# Altium PCB STM32G4_V2.PcbDoc
Units mil, origin at the board's own origin, x right, y up, seen from the top; angles counter-clockwise.
Board outline 2190 x 1925 mil, 2 copper layers (Top Layer, Bottom Layer), stack 5.6 mil thick; 52 components, 33 nets, 204 pads, 32 vias.
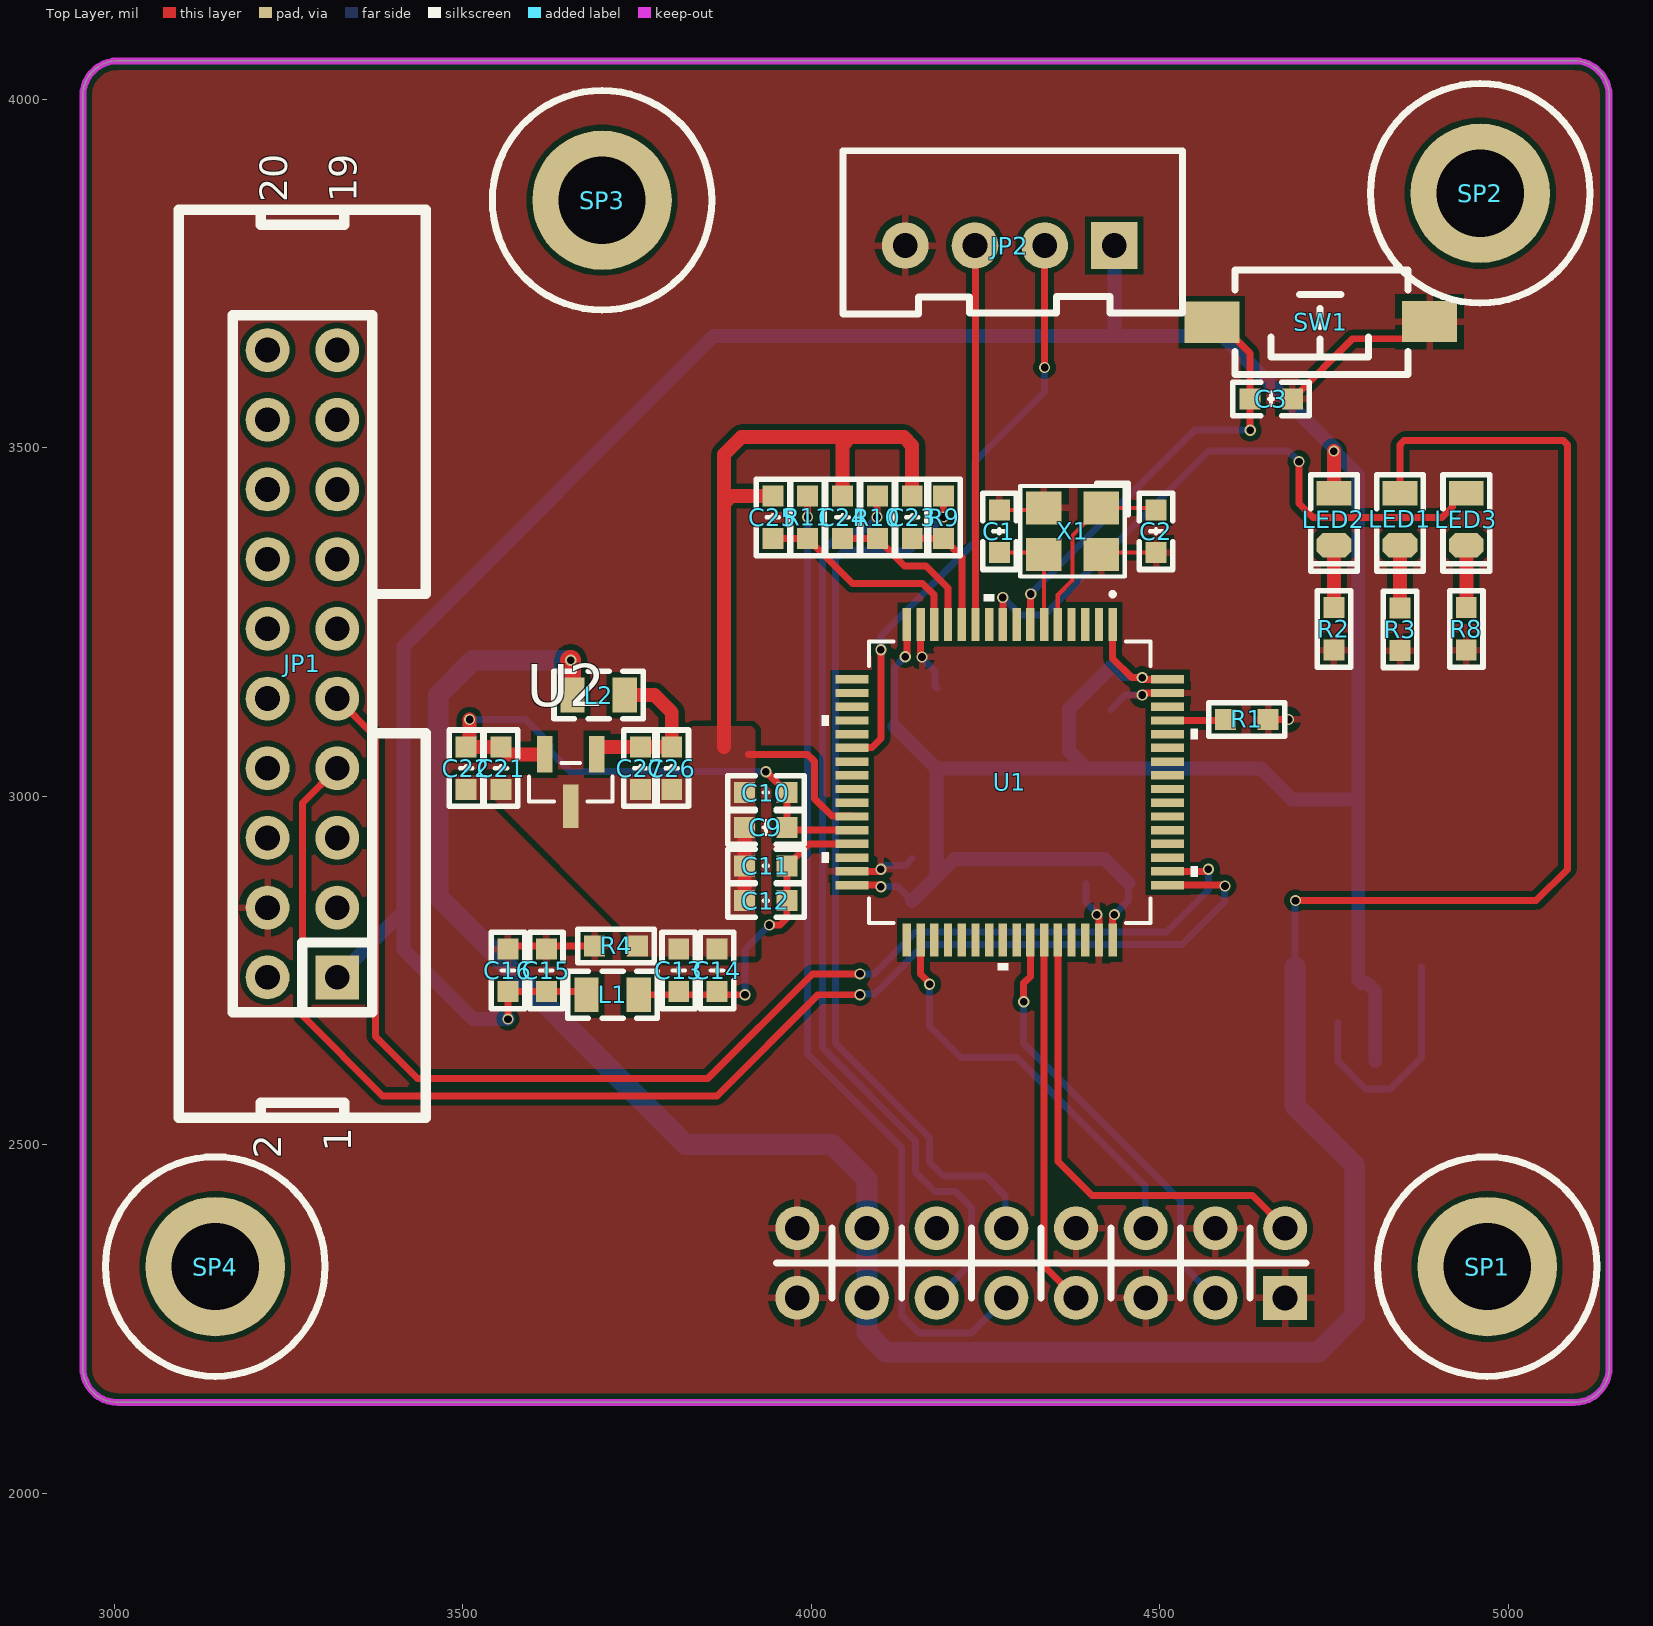
[diagram p0: Top Layer view]
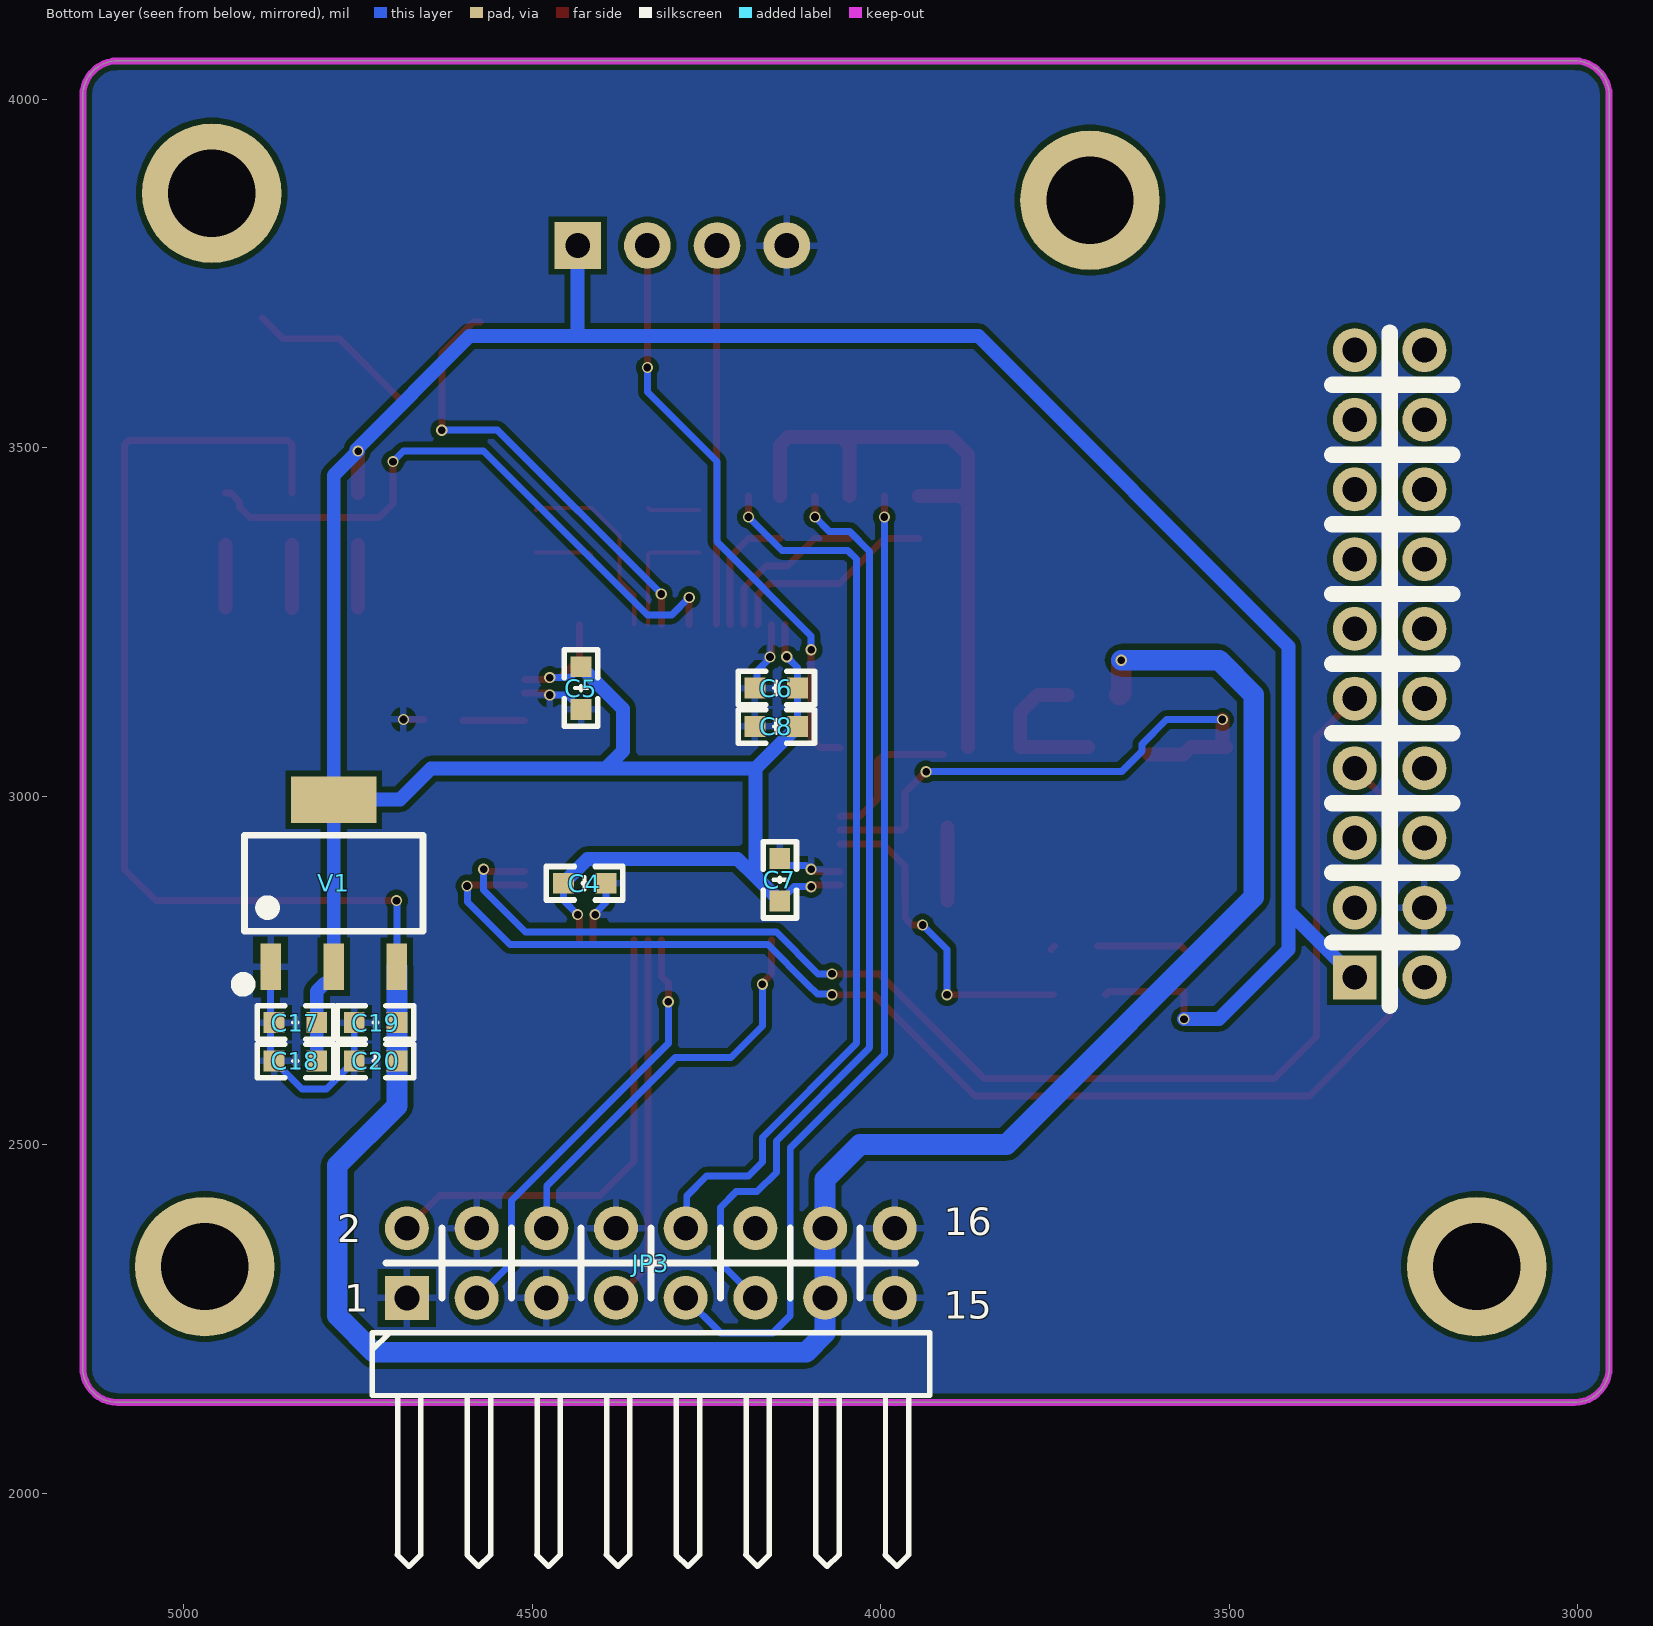
[diagram p1: Bottom Layer view, seen from below]

## Layer stack, top to bottom
Top Solder: solder mask 0.4, Solder Resist, Dk 3.5
Top Layer: signal copper 1.4
Dielectric 2: prepreg 2.8, PP-006, Dk 4.1
Bottom Layer: signal copper 1.4
Bottom Solder: solder mask 0.4, Solder Resist, Dk 3.5

## Board outline
2955,2180 2955,4005 cw(c3005,4005) 3005,4055 5095,4055 cw(c5095,4005) 5145,4005 5145,2180 cw(c5095,2180) 5095,2130 3005,2130 cw(c3005,2180)

## Design rules (kind name [scope] priority, off if disabled: settings)
Clearance [All] p1: gap=8 ignorepadtopadclearanceinfootprint=FALSE except(5: SMDPad-SMDPad)
ComponentClearance [All] p1: gap=0 collisioncheckmode=3 verticalgap=0 showdistances=FALSE
PlaneConnect PlaneConnect_1 [InNet('PGND') or  InNet('SW')] p1: planeconnectstyle=Direct reliefexpansion=20 reliefentries=4 reliefconductorwidth=10 reliefairgap=10
PlaneConnect [InNet('DGND')] p2: planeconnectstyle=Relief reliefexpansion=20 reliefentries=4 reliefconductorwidth=10 reliefairgap=10
PolygonConnect PolygonConnect_1 [InNet('DGND')] p1: connectstyle=Relief reliefconductorwidth=10 reliefentries=4 polygonreliefangle="90 Angle" airgapwidth=10
PolygonConnect [All] p2: connectstyle=Direct reliefconductorwidth=10 reliefentries=4 polygonreliefangle="90 Angle" airgapwidth=10
RoutingVias [All] p1: holewidth=10 width=20 viastyle="Through Hole" minholewidth=5 minwidth=10 maxholewidth=30 maxwidth=50
SolderMaskExpansion [All] p1: expansion=4 istentingtop=FALSE
Width [All] p1: maxlimit=50 minlimit=5 preferedwidth=10 minimp=50.000000 maximp=50.000000 favimp=50.000000
28 further rules are at their usual default settings.

## Components (designator, comment, footprint, x,y, rotation, side; value= is the part's Value field where it differs from the comment)
C1 "12p" "C 0603_L" 4270,3380 r270 top
C2 "12p" "C 0603_L" 4495,3380 r270 top
C3 "100n" "C 0603_L" 4660,3570 r0 top
C4 "100n" "C 0603_L" 4425,2875 r180 bottom
C5 "100n" "C 0603_L" 4430,3155 r270 bottom
C6 "100n" "C 0603_L" 4150,3155 r0 bottom
C7 "100n" "C 0603_L" 4145,2880 r90 bottom
C8 "4.7u" "C 0603_L" 4150,3100 r0 bottom
C9 "100n" "C 0603_L" 3935,2955 r180 top
C10 "1u" "C 0603_L" 3935,3005 r180 top
C11 "10n" "C 0603_L" 3935,2900 r180 top
C12 "1u" "C 0603_L" 3935,2850 r180 top
C13 "100n" "C 0603_L" 3810,2750 r90 top
C14 "1u" "C 0603_L" 3865,2750 r90 top
C15 "100n" "C 0603_L" 3620,2750 r90 top
C16 "1u" "C 0603_L" 3565,2750 r90 top
C17 "100n" "C 0603_L" 4840,2675 r0 bottom
C18 "1u" "C 0603_L" 4840,2620 r0 bottom
C19 "100n" "C 0603_L" 4725,2675 r0 bottom
C20 "1u" "C 0603_L" 4725,2620 r0 bottom
C21 "10u" "C 0603_L" 3555,3040 r90 top
C22 "1u" "C 0603_L" 3505,3040 r90 top
C23 "10n" "C 0603_L" 4145,3400 r90 top
C24 "10n" "C 0603_L" 4045,3400 r90 top
C25 "10n" "C 0603_L" 3945,3400 r90 top
C26 "10u" "C 0603_L" 3800,3040 r270 top
C27 "1u" "C 0603_L" 3755,3040 r270 top
JP1 "Header 2X10" IDC2.54-LI-2x10P 3320,2740 r90 top
JP2 "HDR-1X4" XH2.54-LI-4P 4285,3790 r180 top
JP3 "Header 8X2" HDR2.54-WI-2x8P 4330,2330 r180 bottom
L1 "600R@100MHZ/0805" "L 0805_L" 3715,2715 r0 top
L2 "600R@100MHZ/0805" "L 0805_L" 3695,3145 r0 top
LED1 "红色" "LED 0805G" 4845,3397.4 r270 top
LED2 "红色" "LED 0805G" 4750,3397.4 r270 top
LED3 "红色" "LED 0805G" 4940,3397.4 r270 top
R1 "10k" "R 0603_L" 4625,3110 r0 top
R2 "1K" "R 0603_L" 4750,3240 r90 top
R3 "1K" "R 0603_L" 4845,3239.41 r90 top
R4 "0" "R 0603_L" 3720,2785 r180 top
R8 "1K" "R 0603_L" 4940,3240 r90 top
R9 "100" "R 0603_L" 4190,3400 r90 top
R10 "100" "R 0603_L" 4095,3400 r90 top
R11 "100" "R 0603_L" 3995,3400 r90 top
SP1 "M3铜柱" M3x4_L 4970,2325 r0 top
SP2 "M3铜柱" M3x4_L 4960,3865 r0 top
SP3 "M3铜柱" M3x4_L 3700,3855 r0 top
SP4 "M3铜柱" M3x4_L 3145,2325 r0 top
SW1 "3x6x5" "TSW SMD-3*6*2.5" 4730,3680 r180 top
U1 "STM32G474RET6" LQFP64-10x10mm 4285,3020 r270 top
U2 "REF3333AIDBZR" DBZ3 3655,3020 r180 top
V1 "AMS1117-3V3" SOT223_L 4785,2875 r180 bottom
X1 "80M" "OSC 3225-4P" 4375,3380 r180 top

## Footprints (in the part's own frame and the unit in brackets; to place one, negate y for a bottom-side part, rotate by r counter-clockwise, add the part's x,y. Pads: shape width x height; smd on the part's side, far side on the other; paste and mask are expansions set on the pad)
"C 0603_L" [mil] "无极性贴片电容"
  rect 30x30 smd: 1(-30.59,0) 2(30.59,0)
  silkscreen extent -55,-24 55,24, body extent -31,-16 31,16, height 32
DBZ3 [mil]
  rect 22x52 smd paste-26 mask-26: 1(-37.4,-40) 2(37.4,-40)
  rect 22x52 on Top Solder paste-26 mask-26: 1(-37.4,-40) 2(37.4,-40)
  rect 22x62.5 smd paste-31.25 mask-31: 3(0,34.75)
  rect 22x62.5 on Top Solder paste-31.25 mask-31: 3(0,34.75)
  silkscreen extent -60,-28 60,28, body extent -60,-27 60,27, height 44
HDR2.54-WI-2x8P [mm] "双排弯脚排针，8x2脚"
  rect 1.6x1.6 hole 0.9: 1(-8.89,-1.27)
  round 1.6 hole 0.9: 2(-8.89,1.27) 3(-6.35,-1.27) 4(-6.35,1.27) 5(-3.81,-1.27) 6(-3.81,1.27) 7(-1.27,-1.27) 8(-1.27,1.27) 9(1.27,-1.27) 10(1.27,1.27) 11(3.81,-1.27) 12(3.81,1.27) 13(6.35,-1.27) 14(6.35,1.27) 15(8.89,-1.27) 16(8.89,1.27)
  silkscreen extent -10.16,-11.06 10.16,1.27, body extent -10.16,-11.23 10.16,1.62, height 5.1
IDC2.54-LI-2x10P [mm] "20P简易牛角座"
  rect 1.6x1.6 hole 0.9: 1(0,0)
  round 1.6 hole 0.9: 2(0,2.54) 3(2.54,0) 4(2.54,2.54) 5(5.08,0) 6(5.08,2.54) 7(7.62,0) 8(7.62,2.54) 9(10.16,0) 10(10.16,2.54) 11(12.7,0) 12(12.7,2.54) 13(15.24,0) 14(15.24,2.54) 15(17.78,0) 16(17.78,2.54) 17(20.32,0) 18(20.32,2.54) 19(22.86,0) 20(22.86,2.54)
  silkscreen extent -5.11,-3.23 27.97,5.77, body extent -5.08,-3.08 27.94,5.77, height 9.17
"L 0805_L" [mil] "小功率贴片电感"
  rect 35x50 smd: 1(-37.4,0) 2(37.4,0)
  silkscreen extent -64,-34 64,34, body extent -39,-24 39,24, height 35
"LED 0805G" [mil] "绿色0805LED"
  rect 35x50 smd: 1(-37.4,0)
  oct 35x50 smd: 2(37.4,0)
  silkscreen extent -64,-33 75,33, body extent -39,-25 39,25, height 32
LQFP64-10x10mm [mil]
  rect 47x12 smd paste+0 mask+0: 1(-226.38,147.64) 2(-226.38,127.95) 3(-226.38,108.27) 4(-226.38,88.58) 5(-226.38,68.9) 6(-226.38,49.21) 7(-226.38,29.53) 8(-226.38,9.84) 9(-226.38,-9.84) 10(-226.38,-29.53) 11(-226.38,-49.21) 12(-226.38,-68.9) 13(-226.38,-88.58) 14(-226.38,-108.27) 15(-226.38,-127.95) 16(-226.38,-147.64) 33(226.38,-147.64) 34(226.38,-127.95) 35(226.38,-108.27) 36(226.38,-88.58) 37(226.38,-68.9) 38(226.38,-49.21) 39(226.38,-29.53) 40(226.38,-9.84) 41(226.38,9.84) 42(226.38,29.53) 43(226.38,49.21) 44(226.38,68.9) 45(226.38,88.58) 46(226.38,108.27) 47(226.38,127.95) 48(226.38,147.64)
  rect 12x47 smd paste+0 mask+0: 17(-147.64,-226.38) 18(-127.95,-226.38) 19(-108.27,-226.38) 20(-88.58,-226.38) 21(-68.9,-226.38) 22(-49.21,-226.38) 23(-29.53,-226.38) 24(-9.84,-226.38) 25(9.84,-226.38) 26(29.53,-226.38) 27(49.21,-226.38) 28(68.9,-226.38) 29(88.58,-226.38) 30(108.27,-226.38) 31(127.95,-226.38) 32(147.64,-226.38) 49(147.64,226.38) 50(127.95,226.38) 51(108.27,226.38) 52(88.58,226.38) 53(68.9,226.38) 54(49.21,226.38) 55(29.53,226.38) 56(9.84,226.38) 57(-9.84,226.38) 58(-29.53,226.38) 59(-49.21,226.38) 60(-68.9,226.38) 61(-88.58,226.38) 62(-108.27,226.38) 63(-127.95,226.38) 64(-147.64,226.38)
  silkscreen extent -273,-270 270,270, body extent -236,-236 236,236, height 63
M3x4_L [mil] "M3铜柱，长：4mm"
  round 200 hole 125: 1(0,0)
  silkscreen extent -157,-157 157,157, body extent -106,-93 106,93, height 159
"OSC 3225-4P" [mm] "3.2*2.5*0.7mm(长宽高)"
  rect 1.3x1.2 smd: 1(-1.05,-0.85) 2(1.05,-0.85) 3(1.05,0.85) 4(-1.05,0.85)
  silkscreen extent -2.03,-1.75 1.91,1.65, body extent -1.6,-1.25 1.6,1.25, height 0.7
"R 0603_L" [mil] "1/10W贴片电阻"
  rect 30x30 smd: 1(-30.59,0) 2(30.59,0)
  silkscreen extent -55,-24 55,24, body extent -31,-16 32,16, height 16
SOT223_L [mm] "6.4x7x1.6mm(长宽高)"
  rect 0.75x1.7 smd: 1(-2.3,-3.048) 2(0,-3.048) 3(2.3,-3.048)
  rect 3.1x1.7 smd: 2(0,3.048)
  silkscreen extent -3.5,-3.88 3.25,1.75, body extent -3.25,-3.51 3.25,3.51, height 1.65
"TSW SMD-3*6*2.5" [mm] "3*6*2.5mm"
  rect 2x1.5 smd: 1(-3.996,-0.02) 2(3.937,0)
  silkscreen extent -3.21,-1.9 3.09,1.9, body extent -4,-1.88 4,1.62, height 2.59
XH2.54-LI-4P [mm] "接插件，4P"
  rect 1.7x1.7 hole 0.9: 1(-3.81,0)
  round 1.7 hole 0.9: 2(-1.27,0) 3(1.27,0) 4(3.81,0)
  silkscreen extent -6.3,-3.45 6.07,2.49, body extent -6.31,-3.3 6.31,2.4, height 7.03

## Part data
C1 C2 C3 C4 C5 C6 C7 C8 C9 C10 C11 C12 C13 C14 C15 C16 C17 C18 C19 C20 C21 C22 C23 C24 C25 C26 C27: library part C, "无极性贴片电容", BOM名称=无极性贴片电容, 学习资源=www.ooocke.com, 材质=X7R, 版权归属=源创客
JP1: library part "Header 10X2", "10*2P接插件", BOM名称=10*2P接插件, 学习资源=www.ooocke.com, 版权归属=源创客
JP2: library part "Header 4", "4P接插件", BOM名称=4P接插件, 学习资源=www.ooocke.com, 版权归属=源创客
JP3: "8*2P接插件", BOM名称=8*2P接插件, 学习资源=www.ooocke.com, 版权归属=源创客
L1 L2: library part L, "小功率贴片电感", BOM名称=小功率贴片电感, 学习资源=www.ooocke.com, 版权归属=源创客
LED1 LED2 LED3: library part LED-SMD, "贴片LED", BOM名称=贴片LED, 学习资源=www.ooocke.com, 版权归属=源创客
R1 R2 R3 R4 R8 R9 R10 R11: library part R, "贴片电阻", BOM名称=贴片电阻, 学习资源=www.ooocke.com, 版权归属=源创客
SP1 SP2 SP3 SP4: library part 铜柱小焊盘, "铜柱", BOM名称=铜柱, 学习资源=www.ooocke.com, 版权归属=源创客
SW1: library part "TSW 3x6", "3x6轻触开关", BOM名称=3x6轻触开关, 学习资源=www.ooocke.com, 版权归属=源创客
U1: "No Description Available", Mfr_Name=STMicroelectronics, RefDes=RefDes, Type=Type
U2: "No Description Available", Mfr_Name="Texas Instruments", RefDes=RefDes, Type=Type
V1: library part AMS1117, "三端稳压芯片", BOM名称=稳压芯片, 学习资源=www.ooocke.com, 版权归属=源创客
X1: library part XTAL-ACT-4P, "4脚有源晶振", BOM名称=4脚有源晶振, 学习资源=www.ooocke.com, 版权归属=源创客

## Via types
v1: diameter 16, hole 11, Top Layer to Bottom Layer, 32 vias

## Nets (pads, with @x,y where several pads share a name; then routed paths per layer and width w, separated by ;. In a path a pad name is that pad's centre, name@x,y a point inside that pad or via, vN(x,y) a via of type N, cw(c..) or ccw(c..) an arc to the next point about the centre after c; other vN are vias at no path point)
ADC1_IN1: JP3.10 R9.2 | length 1306.8
  Top Layer w10: v1(4190,3400.41) R9.2
  Bottom Layer w10: v1(4190,3400.41) 4142.09,3352.5 4047.5,3352.5 4035,3340 4035,2645.46 4170,2510.46 4170,2475 4190,2455 4250,2455 4278.5,2426.5 4278.5,2381.5 JP3.10
ADC1_IN1_F: C23.1 R9.1 U1.12 | length 179.2
  Top Layer w10: C23.1 R9.1 4216.1,3343.31 U1.12 U1.12@4215.85,3246.63
ADC1_IN2: JP3.11 R10.2 | length 1327.3
  Top Layer w10: v1(4094.59,3400.41) 4094.59,3430.18 R10.2
  Bottom Layer w10: v1(4094.59,3400.41) 4074.18,3380 4045,3380 4016,3351 4016,2639 4150,2505 4150,2460 4177.5,2432.5 4207.5,2432.5 4230,2410 4230,2330 JP3.11
ADC1_IN2_F: C24.1 R10.1 U1.13 | length 233
  Top Layer w10: C24.1 R10.1 4134.13,3330.28 4164.72,3330.28 4196.42,3298.58 U1.13
ADC1_IN3: JP3.9 R11.2 | length 1412.6
  Top Layer w10: v1(3995,3400.41) R11.2
  Bottom Layer w10: v1(3995,3400.41) 3995,2630 4130,2495 4130,2255 4155,2230 4230,2230 JP3.9
ADC1_IN3_F: C25.1 R11.1 U1.14 | length 307.2
  Top Layer w10: C25.1 R11.1 4059.41,3305 4160,3305 4176.05,3288.95 4176.05,3247.06 U1.14
ADC1_IN4_F: U1.17
ADC1_IN5_F: U1.36
ADC1_IN6_F: U1.8
AGND: C9.2 C10.2 C11.2 C12.2 C13.2 C14.2 C21.1 C22.1 C23.2 C24.2 C25.2 C26.2 C27.2 R4.1 U1.27 U2.3@3655,2985.25 | length 1270.3
  Top Layer w10: R4.1 R4.1@3755.59,2780 ; 3910,3060 3995,3060 4005,3050 4005,2996.21 4029.74,2971.47 4057.94,2971.47 U1.27
  Top Layer w20: 3875,3070.39 3875,3420 ; C12.2 C11.2 C9.2 ; C25.2 3885.59,3430.59 3875,3420 ; C24.2 4045,3503.28 4056.72,3515 ; C23.2 4145,3503.28 4133.28,3515 4056.72,3515 ; 3875,3420 3875,3490 3900,3515 4056.72,3515
DGND: C1.1 C2.2 C3.2 C4.2 C5.2 C6.2 C7.2 C8.2 C15.2 C16.2 C17.2 C18.2 C19.2 C20.2 JP1.4 JP2.4 JP3.1 JP3.4 JP3.5 JP3.8 JP3.15 JP3.16 R1.2 R2.1 R3.1 R4.2 R8.1 SW1.1 U1.15 U1.31 U1.47 U1.63 V1.1 X1.2 X1.4 | length 1270.6
  Top Layer w6: C1.1@4260,3410.59 4330.79,3410.59 X1.2 ; X1.4 4419.21,3349.41 C2.2
  Top Layer w10: C16.2 3569.41,2785 R4.2 ; U1.31 4097.05,2892.05 v1(4100,2895) ; U1.15 4157.05,3203.33 4159.09,3201.29 v1(4159.09,3199.66) ; v1(4410,2830) 4412.95,2827.05 U1.47 ; v1(4475,3145) 4477.95,3147.95 U1.63 ; R1.2 v1(4685,3110) ; C3.2 4776.85,3656.26 4857.79,3656.26 SW1.1@4887.31,3685.79
  Bottom Layer w10: v1(4100,2895) 4101.62,2895 4107.21,2900.59 4135,2900.59 C7.2 ; v1(4159.09,3199.66) 4159.09,3198.04 4177.98,3179.14 4177.98,3157.61 C6.2 ; C4.2 4394.41,2847.21 4410,2831.62 v1(4410,2830) ; C5.2 4450.59,3145 v1(4475,3145) ; C19.2 C20.2 4795.59,2580 4830.59,2580 C18.2 4875.55,2624.96 V1.1
HRTIM1_CHA1: JP3.3 U1.42 | length 631.5
  Top Layer w10: v1(4305,2705) 4305,2731.62 4314.53,2741.15 U1.42
  Bottom Layer w10: v1(4305,2705) 4305,2645 4530,2420 4530,2330 JP3.3
HRTIM1_CHA2: JP3.7 U1.43 | length 532.6
  Top Layer w10: U1.43 4334.21,2325.79 JP3.7
HRTIM1_CHB1: JP3.2 U1.44 | length 683.4
  Top Layer w10: U1.44 4353.9,2741.26 4354,2741.15 4354,2476 4403,2427 4633,2427 JP3.2
HRTIM1_CHC1: JP3.6 U1.34 | length 594.3
  Top Layer w10: U1.34 4157.05,2744.58 4170,2731.62 v1(4170,2730)
  Bottom Layer w10: v1(4170,2730) 4170,2670 4215,2625 4295,2625 4479.36,2440.64 4479.36,2380.64 JP3.6
LED1: LED3.1 U1.9 | length 904.7
  Top Layer w10: v1(4275,3285) 4275.16,3284.84 U1.9 ; v1(4700,3480) 4700,3420 4720,3400 4905.19,3400 4920,3414.8 4920,3422.3 4932.5,3434.8 LED3.1
  Bottom Layer w10: v1(4275,3285) 4300,3260 4335,3260 4570,3495 4685,3495 v1(4700,3480)
LED2: U1.10
NetLED1_2: LED1.2 R3.2 | length 90
  Top Layer w20: R3.2 LED1.2
NetLED2_2: LED2.2 R2.2 | length 89.4
  Top Layer w20: R2.2 LED2.2
NetLED3_2: LED3.2 R8.2 | length 89.4
  Top Layer w20: R8.2 LED3.2
NetR1_1: R1.1 U1.61 | length 88
  Top Layer w10: U1.61 R1.1@4599.41,3108.58
NRST: C3.1 SW1.2 U1.7 | length 639.7
  Top Layer w10: U1.7 4314.53,3289.53 v1(4315,3290) ; SW1.2 4584.84,3680 4629.41,3635.43 C3.1 4630,3569.41 v1(4630,3525)
  Bottom Layer w10: v1(4315,3290) 4550,3525 v1(4630,3525)
OSC_IN: C2.1 U1.5 X1.1 | length 274
  Top Layer w6: U1.5 4353.9,3288.9 4374.82,3309.82 4374.82,3373.92 4414.37,3413.46 X1.1 4492.13,3413.46 C2.1
OSC_OUT: C1.2 U1.6 X1.3 | length 175.2
  Top Layer w6: C1.2@4260,3349.41 4330.79,3349.41 X1.3 4334.21,3345.98 U1.6
SWCLK: JP1.9 U1.50 | length 1929.3
  Top Layer w10: JP1.9 3375,3085 3375,2655 3435,2595 3851.69,2595 4001.69,2745 v1(4070,2745) ; U1.50 4565.42,2892.05 4568.38,2895 v1(4570,2895)
  Bottom Layer w10: v1(4070,2745) 4090,2745 4150,2805 4510,2805 4570,2865 v1(4570,2895)
SWDIO: JP1.7 U1.49 | length 1968
  Top Layer w10: JP1.7 3270,2990 3270,2685 3385,2570 3865,2570 4010,2715 v1(4070,2715) ; U1.49 4588.4,2872.36 4589.61,2871.15 v1(4593.85,2871.15)
  Bottom Layer w10: v1(4070,2715) 4071.15,2716.15 4091.15,2716.15 4105,2730 4162,2787 4532,2787 4593.15,2848.15 4593.15,2870.44 v1(4593.85,2871.15)
USART1_RX: JP2.2 U1.22 | length 851.8
  Top Layer w10: U1.22 4059.31,3069.9 4087.51,3069.9 4100,3082.39 v1(4100,3210) ; v1(4335,3615) JP2.2
  Bottom Layer w10: v1(4100,3210) 4100,3230 4235,3365 4235,3480 4335,3580 v1(4335,3615)
USART1_TX: JP2.3 U1.11 | length 543.9
  Top Layer w10: JP2.3 4235.79,3789.21 U1.11
VCC_3V3: C4.1 C5.1 C6.1 C7.1 C8.1 C15.1 C16.1 C17.1 C18.1 JP1.1 JP2.1 L1.1 LED2.1 U1.1 U1.16 U1.32 U1.48 U1.64 V1.2 | length 5526.2
  Top Layer w10: v1(3565,2680) C16.1 C15.1 3673.18,2719.41 L1.1 ; U1.32 4097.64,2872.36 v1(4100,2870) ; v1(4135,3200) 4135,3201.62 4137.36,3203.99 U1.16 ; U1.48 4432.64,2827.64 v1(4435,2830) ; U1.1 4432.64,3197.36 4460,3170 v1(4475,3170) 4477.36,3167.64 U1.64
  Top Layer w20: LED2.1 v1(4750,3495)
  Bottom Layer w10: v1(4100,2870) 4124.41,2870 C7.1 ; C8.1 C6.1 4119.41,3184.41 v1(4135,3200) ; C5.1 4445.59,3170 v1(4475,3170) ; v1(4435,2830) 4455.59,2850.59 C4.1
  Bottom Layer w20: JP1.1 3415,2835 ; v1(3565,2680) 3515,2680 3415,2780 3415,2835 ; C8.1 4180,3039.41 ; C7.1 4180,2884.41 ; C5.1 4369.7,3125.3 4369.7,3064.7 4395,3039.41 ; JP2.1 4435,3660 ; C4.1 4420.59,2910 4205.59,2910 4180,2884.41 ; v1(4750,3495) 4785,3460 V1.2@4785,2995 ; v1@4752.5,3497.5 4590,3660 4435,3660 ; C18.1 C17.1 4809.41,2719.82 4797.69,2731.54 4789.76,2731.54 4785,2736.3 4785,2755 V1.2@4785,2995 ; 3415,2835 3415,3215 3860,3660 4435,3660 ; 4180,2884.41 4180,3039.41 ; 4180,3039.41 4395,3039.41 ; 4395,3039.41 4645.59,3039.41 4690,2995 V1.2@4785,2995
VCC_3V3A: C11.1 C12.1 C13.1 C14.1 L1.2 U1.29 | length 477.5
  Top Layer w10: L1.2 v1(3905,2715) ; v1(3940,2815) 3955,2815 3965,2825 3965,2849.41 C12.1 C11.1 3997.01,2931.42 U1.29
  Bottom Layer w10: v1(3905,2715) 3905,2780 v1(3940,2815)
VCC_3VR: C9.1 C10.1 C21.2 C22.2 U1.28 U2.2@3617.6,3060 | length 805.7
  Top Layer w10: v1(3935,3035) 3935.59,3035 C10.1 C9.1 3969.49,2951.1 U1.28
  Top Layer w20: v1(3510,3110) 3510,3075.59 C22.2 C21.2 3565.59,3060 U2.2@3615.2,3060
  Bottom Layer w10: v1(3510,3110) 3590,3110 3625.57,3074.43 3625.57,3064.43 3655,3035 v1(3935,3035)
VCC_5V: C19.1 C20.1 JP3.13 JP3.14 L2.1 LED1.1 V1.3 | length 4251
  Top Layer w10: v1(4695,2850) 5040,2850 5085,2895 5085,3504.14 5079.14,3510 4850.86,3510 4845,3504.14 LED1.1
  Top Layer w30: v1(3655,3195) 3655.09,3194.91 3655.09,3147.5 L2.1
  Bottom Layer w10: V1.3 4694.45,2849.45 v1(4695,2850)
  Bottom Layer w30: v1(3655,3195) 3515,3195 3465,3145 3465,2855 3820,2500 4030,2500 4080,2450 JP3.14 JP3.13 4080,2229.54 4107.53,2202 4727,2202 4780,2255 4780,2470 4694.41,2555.59 C20.1 V1.3 V1.3
VCC_5VA: C26.1 C27.1 L2.2 U2.1@3692.4,3060 | length 224.4
  Top Layer w20: U2.1@3702.99,3070.59 C27.1 C26.1 3800,3119.99 3775,3145 L2.2
pads on no net: JP1.2 JP1.3 JP1.5 JP1.6 JP1.8 JP1.10 JP1.11 JP1.12 JP1.13 JP1.14 JP1.15 JP1.16 JP1.17 JP1.18 JP1.19 JP1.20 JP3.12 SP1.1 SP2.1 SP3.1 SP4.1 U1.2 U1.3 U1.4 U1.18 U1.19 U1.20 U1.21 U1.23 U1.24 U1.25 U1.26 U1.30 U1.33 U1.35 U1.37 U1.38 U1.39 U1.40 U1.41 U1.45 U1.46 U1.51 U1.52 U1.53 U1.54 U1.55 U1.56 U1.57 U1.58 U1.59 U1.60 U1.62 U2.1@3692.4,3060 U2.2@3617.6,3060 U2.3@3655,2985.25

## Polygon pours and split planes (outlines as drawn)
DGND on Top Layer "NONET_L-01_P-001" (solid, pour order 6): 2955,4060 2960,4055 5140,4055 5140,2130 5135,2125 5130,2130 2955,2130
AGND on Top Layer "NONET_L-01_P-001" (solid, pour order 5): 3735,2770 3735,2805 3545,2995 3490,2995 3490,3030 3825,3030 3825,3095 3830,3100 3915,3100 3920,3095 3920,2770
DGND on Bottom Layer "NONET_L-01_P-001" (solid, pour order 7): 2965,4065 2970,4060 5150,4060 5150,2135 5145,2130 5140,2135 2965,2135

## Keep-outs
Keep-Out Layer:
  the board outline again, w10

## Text inside footprints (layer, text, board x,y; h text height)
JP1: Top Overlay "2" at 3240,2480 h40 r90; Top Overlay "1" at 3340,2490 h40 r90; Top Overlay "20" at 3248,3852 h40 r90; Top Overlay "19" at 3348,3852 h40 r90
JP3: Bottom Overlay "2" at 4780,2360 h40; Bottom Overlay "1" at 4770,2260 h40; Bottom Overlay "16" at 3910,2370 h40; Bottom Overlay "15" at 3910,2250 h40